# KiCad board handheld.kicad_pcb (continued)
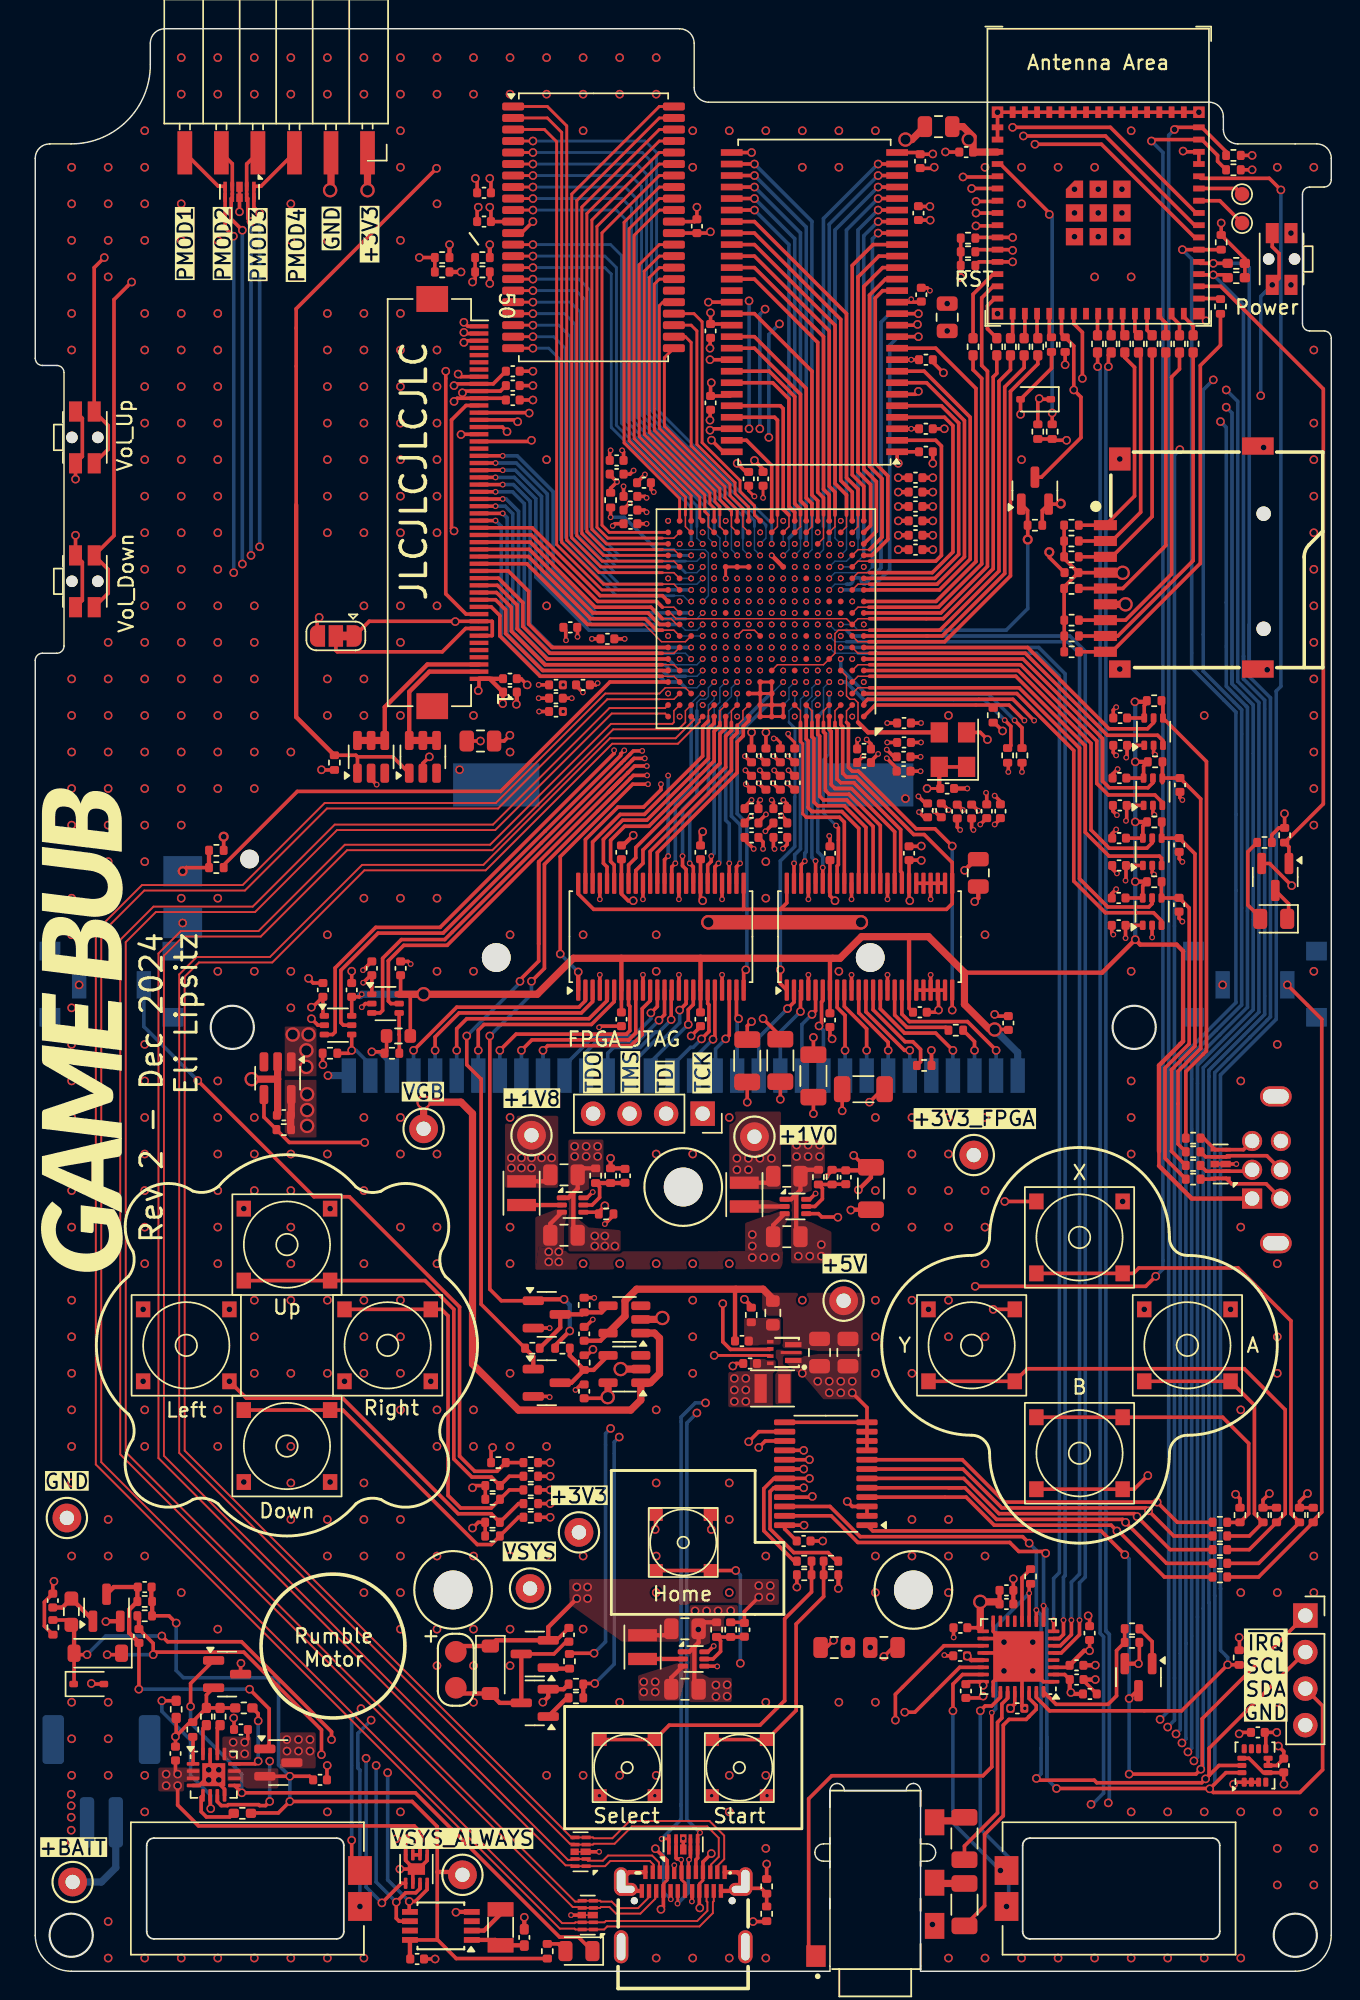
[diagram p0: board, top side]
## Routing (per net, layer and track width the routed paths; a pad name or vN(x,y) marks a point on that pad's centre or on a via; arc(x,y) is an arc through that point) (continued)
  F.Cu (SIG) w0.3: C1701.2 C1703.2 ; 45.82,22.55 45.47,22.2 U304.1 ; 45.82,22.55 45.82,19.9 ; 45.82,22.55 46.12,22.85 C311.2 46.57,24.25 R310.2 ; 49.02,5.76 48.84,5.58 J501.B1 ; 52.9,54 53.2,54.3 C301.2 53.65,55.7 R302.2 ; 52.9,54 52.9,51.35 ; 52.9,54 52.55,53.65 U301.1 ; v1(4.91,24.3) 4.94,24.32 Q203.2 ; R307.2 49.78,46.22 v1(49.3,46.7) ; 37.41,51.45 37.41,54.1 ; 37.41,54.1 37.71,54.4 C308.2 38.16,55.8 R308.2 ; 37.41,54.1 37.06,53.75 U303.1 ; C1904.1 40.87,78.24 v1(41.57,78.95) ; C1101.2 v1(62.4,101.8) ; U1502.4 29.28,4.12 v1(29.25,4.1) ; C1302.1 33.48,88.08 v1(33.45,88.05) ; v1(56.7,52.9) 56.72,52.92 58.1,52.92 ; 49.37,6.32 48.81,6.88 J501.A12 ; C702.1 v3(64.8,82.2) ; C1105.2 v1(62.4,103.8) ; Q1701.2 v1(76.7,21.38) ; C629.2 65.56,74.59 v1(65.31,74.34) ; C1505.1 v1(34,3.75) ; R1504.2 36.73,19.6 Q1502.2 35.66,19.07 v1(35.29,18.7) ; C1103.2 v1(62.4,99.8) ; 41.08,5.76 41.26,5.58 J501.B12 ; C1104.2 v1(62.4,98.8) ; v1(73.7,21.27) 73.69,21.26 C1710.1 ; J501.A1 41.29,6.88 40.73,6.32 ; C1102.2 v1(62.4,100.8) ; C1106.2 v1(62.4,102.8) ; C1712.1 v1(73.7,20.27)
  F.Cu (SIG) w0.5: 16.85,62 16.85,59.54 C314.1 ; 16.85,62 v2(15.05,62) ; 16.85,62 U305.2 ; v2(43.6,45.4) 43.5,45.3 U1801.2 ; v2(20.5,123.78) 20.56,123.84 J801.2 ; v2(40.7,41.85) U1802.2 ; v2(60.5,127.3) 60.95,127.3 C402.2 ; J402.6 v2(75.8,95)
  B.Cu (SIG) w0.5: J1901.32 v1(20.35,62.25)
  vias: v1(2.53,125.38) v1(2.53,122.84) v1(2.53,120.3) v1(2.53,117.75) v1(2.53,115.22) v1(2.53,112.67) v1(2.53,89.81) v1(2.53,87.28) v1(2.53,84.73) v1(2.53,82.19) v1(2.53,79.66) v1(2.53,77.11) v1(2.53,74.58) v1(2.53,72.03) v1(2.53,66.95) v1(2.53,64.42) v1(2.53,61.88) v1(2.53,59.33) v1(2.53,56.8) v1(2.53,54.25) v1(2.53,51.72) v1(2.53,49.17) v1(2.53,46.64) v1(2.53,44.09) v1(2.53,41.56) v1(2.53,39.02) v1(2.53,36.47) v1(2.53,33.94) v1(2.53,28.86) v1(2.53,18.69) v1(2.53,16.16) v1(2.53,13.62) v1(2.5,12.3) v1(2.5,11.5) v1(2.5,10.7) v1(2.5,9.8) v1(2.5,9) v1(3.05,68.55) v1(5.07,125.38) v1(5.07,122.84) v1(5.07,120.3) v1(5.07,117.75) v1(5.07,92.35) v1(5.07,89.81) v1(5.07,87.28) v1(5.07,84.73) v1(5.07,82.19) v1(5.07,79.66) v1(5.07,77.11) v1(5.07,74.58) v1(5.07,31.39) v1(5.07,28.86) v1(5.07,18.69) v1(5.07,16.16) v1(5.07,13.62) v1(5.07,3.46) v1(5.07,0.91) v1(7.5,46) v1(7.61,127.91) v1(7.61,125.38) v1(7.61,122.84) v1(7.61,120.3) v1(7.61,115.22) v1(7.61,112.67) v1(7.61,110.13) v1(7.61,107.59) v1(7.61,105.06) v1(7.61,102.52) v1(7.61,99.97) v1(7.61,97.44) v1(7.61,94.9) v1(7.61,92.35) v1(7.61,89.81) v1(7.61,87.28) v1(7.61,84.73) v1(7.61,82.19) v1(7.61,79.66) v1(7.61,77.11) v1(7.61,64.42) v1(7.61,61.88) v1(7.61,59.33) v1(7.61,56.8) v1(7.61,54.25) v1(7.61,51.72) v1(7.61,49.17) v1(7.61,39.02) v1(7.61,36.47) v1(7.61,28.86) v1(7.61,13.62) v1(7.61,11.07) v1(7.61,0.91) v1(10.15,133) v1(10.15,130.45) v1(10.15,122.84) v1(10.15,120.3) v1(10.15,115.22) v1(10.15,112.67) v1(10.15,110.13) v1(10.15,107.59) v1(10.15,105.06) v1(10.15,102.52) v1(10.15,99.97) v1(10.15,97.44) v1(10.15,94.9) v1(10.15,92.35) v1(10.15,89.81) v1(10.15,87.28) v1(10.15,84.73) v1(10.15,82.19) v1(10.15,79.66) v1(10.15,74.58) v1(10.15,26.31) v1(10.15,0.91) v1(12.06,14) v1(12.06,13.3) v1(12.69,133) v1(12.69,130.45) v1(12.69,120.3) v1(12.69,115.22) v1(12.69,112.67) v1(12.69,110.13) v1(12.69,107.59) v1(12.69,105.06) v1(12.69,102.52) v1(12.69,99.97) v1(12.69,97.44) v1(12.69,94.9) v1(12.69,92.35) v1(12.69,89.81) v1(12.69,87.28) v1(12.69,84.73) v1(12.69,82.19) v1(12.69,74.58) v1(12.69,69.5) v1(12.69,61.88) v1(12.69,59.33) v1(12.69,56.8) v1(12.69,54.25) v1(12.69,51.72) v1(12.69,49.17) v1(12.69,39.02) v1(12.69,36.47) v1(12.69,23.78) v1(12.69,0.91) v1(12.76,14) v1(12.76,13.3) v1(13.5,46) v1(14.5,53) v1(14.5,34) v1(15.23,133) v1(15.23,130.45) v1(15.23,94.9) v1(15.23,92.35) v1(15.23,89.81) v1(15.23,87.28) v1(15.23,84.73) v1(15.23,82.19) v1(15.23,69.5) v1(15.23,59.33) v1(15.23,56.8) v1(15.23,54.25) v1(15.23,46.64) v1(15.23,44.09) v1(15.23,41.56) v1(15.23,0.91) v1(17.77,133) v1(17.77,130.45) v1(17.77,122.84) v1(17.77,120.3) v1(17.77,84.73) v1(17.77,69.5) v1(17.77,66.95) v1(17.77,56.8) v1(17.77,54.25) v1(17.77,51.72) v1(17.77,49.17) v1(17.77,46.64) v1(17.77,41.56) v1(17.77,36.47) v1(17.77,33.94) v1(17.77,31.39) v1(17.77,0.91) v1(20.31,133) v1(20.31,130.45) v1(20.31,120.3) v1(20.31,115.22) v1(20.31,112.67) v1(20.31,110.13) v1(20.31,107.59) v1(20.31,105.06) v1(20.31,102.52) v1(20.31,99.97) v1(20.31,89.81) v1(20.31,87.28) v1(20.31,72.03) v1(20.31,56.8) v1(20.31,46.64) v1(20.31,41.56) v1(20.31,31.39) v1(20.31,28.86) v1(20.31,11.07) v1(20.31,0.91) v1(20.5,53) v1(20.5,34) v1(21.5,41) v1(22.85,133) v1(22.85,130.45) v1(22.85,115.22) v1(22.85,112.67) v1(22.85,110.13) v1(22.85,107.59) v1(22.85,105.06) v1(22.85,102.52) v1(22.85,99.97) v1(22.85,94.9) v1(22.85,89.81) v1(22.85,87.28) v1(22.85,74.58) v1(22.85,59.33) v1(22.85,54.25) v1(22.85,49.17) v1(22.85,46.64) v1(22.85,44.09) v1(22.85,41.56) v1(22.85,33.94) v1(22.85,31.39) v1(22.85,28.86) v1(22.85,26.31) v1(22.85,0.91) v1(25.39,133) v1(25.39,130.45) v1(25.39,127.91) v1(25.39,125.38) v1(25.39,120.3) v1(25.39,115.22) v1(25.39,112.67) v1(25.39,110.13) v1(25.39,107.59) v1(25.39,105.06) v1(25.39,102.52) v1(25.39,99.97) v1(25.39,94.9) v1(25.39,92.35) v1(25.39,87.28) v1(25.39,74.58) v1(25.39,59.33) v1(25.39,56.8) v1(25.39,51.72) v1(25.39,46.64) v1(25.39,44.09) v1(25.39,41.56) v1(25.39,39.02) v1(25.39,31.39) v1(25.39,28.86) v1(25.39,26.31) v1(25.39,23.78) v1(25.39,11.07) v1(27.5,41) v1(27.93,133) v1(27.93,130.45) v1(27.93,122.84) v1(27.93,112.67) v1(27.93,110.13) v1(27.93,107.59) v1(27.93,105.06) v1(27.93,102.52) v1(27.93,99.97) v1(27.93,94.9) v1(27.93,74.58) v1(27.93,69.5) v1(27.93,56.8) v1(27.93,51.72) v1(27.93,49.17) v1(27.93,39.02) v1(27.93,36.47) v1(27.93,28.86) v1(27.93,23.78) v1(27.93,21.24) v1(29.5,83.5) v1(30.47,133) v1(30.47,130.45) v1(30.47,87.28) v1(30.47,69.5) v1(30.47,39.02) v1(30.47,36.47) v1(30.47,28.86) v1(30.47,23.78) v1(30.47,21.24) v1(30.47,18.69) v1(33.01,133) v1(33.01,130.45) v1(33.01,84.73) v1(33.01,72.03) v1(33.01,59.33) v1(33.01,51.72) v1(33.01,49.17) v1(33.01,41.56) v1(33.01,36.47) v1(33.01,28.86) v1(33.01,23.78) v1(33.01,21.24) v1(35.55,133) v1(35.55,130.45) v1(35.55,105.06) v1(35.55,94.9) v1(35.55,36.47) v1(35.55,28.86) v1(35.55,13.62) v1(37.5,57.33) v1(37.5,56.63) v1(38.09,133) v1(38.09,130.45) v1(38.09,127.91) v1(38.09,72.03) v1(38.09,49.17) v1(38.09,28.86) v1(38.09,23.78) v1(38.09,13.62) v1(38.3,57.33) v1(38.3,56.63) v1(38.9,51.1) v1(38.9,50.4) v1(39.1,57.33) v1(39.1,56.63) v1(39.6,51.1) v1(39.6,50.4) v1(40.3,50.4) v1(40.63,133) v1(40.63,130.45) v1(40.63,49.17) v1(40.63,18.69) v1(40.63,13.62) v1(43.17,133) v1(43.17,130.45) v1(43.17,72.03) v1(43.17,69.5) v1(43.17,56.8) v1(43.17,49.17) v1(43.17,39.02) v1(43.17,33.94) v1(43.17,28.86) v1(43.17,26.31) v1(43.17,13.62) v1(43.17,0.91) v1(45.71,127.91) v1(45.71,125.38) v1(45.71,56.8) v1(45.71,49.17) v1(45.71,46.64) v1(45.71,44.09) v1(45.71,41.56) v1(45.71,0.91) v1(45.87,25.04) v1(46.1,23.75) v1(46.67,25.04) v1(47.32,19.89) v1(47.32,19.09) v1(47.47,25.04) v1(48.1,19.91) v1(48.1,19.11) v1(48.25,127.91) v1(48.25,59.33) v1(48.25,49.17) v1(48.25,33.94) v1(48.25,31.39) v1(48.25,26.31) v1(48.25,13.62) v1(48.25,11.07) v1(48.25,0.91) v1(48.35,25.05) v1(48.5,42.06) v1(50.79,127.91) v1(50.79,77.11) v1(50.79,74.58) v1(50.79,28.86) v1(50.79,18.69) v1(50.79,13.62) v1(50.79,8.53) v1(50.79,0.91) v1(52.93,57.42) v1(52.93,56.62) v1(53.05,49.7) v1(53.33,127.91) v1(53.33,125.38) v1(53.33,46.64) v1(53.33,41.56) v1(53.73,57.42) v1(53.73,56.62) v1(53.85,49.7) v1(54.03,33) v1(54.4,41) v1(54.53,57.42) v1(54.53,56.62) v1(54.65,50.5) v1(54.65,49.7) v1(55.2,41) v1(55.2,40.2) v1(55.87,127.91) v1(55.87,125.38) v1(55.87,69.5) v1(55.87,18.69) v1(56,41) v1(56.8,41) v1(58.41,127.91) v1(58.41,59.33) v1(58.41,54.25) v1(58.41,51.72) v1(58.41,46.64) v1(58.41,44.09) v1(58.41,41.56) v1(58.41,28.86) v1(58.41,26.31) v1(58.41,18.69) v1(60.5,81.5) v1(60.95,59.33) v1(60.95,56.8) v1(60.95,54.25) v1(60.95,51.72) v1(60.95,46.64) v1(60.95,41.56) v1(60.95,31.39) v1(60.95,28.86) v1(62.1,46) v1(62.38,3.25) v1(62.5,125.38) v1(63.4,115.9) v1(63.49,87.28) v1(63.49,59.33) v1(63.49,56.8) v1(63.49,54.25) v1(63.49,51.72) v1(63.49,46.64) v1(63.49,44.09) v1(63.49,31.39) v1(63.49,28.86) v1(63.49,26.31) v1(63.49,0.91) v1(66.03,125.38) v1(66.03,72.03) v1(66.03,59.33) v1(66.03,54.25) v1(66.03,51.72) v1(66.03,49.17) v1(66.03,44.09) v1(66.03,28.86) v1(66.03,0.91) v1(66.9,115.2) v1(67.35,22.87) v1(67.35,20.87) v1(68.57,125.38) v1(68.57,122.84) v1(68.57,105.06) v1(68.57,0.91) v1(69.35,22.87) v1(69.35,20.87) v1(71.11,125.38) v1(71.11,0.91) v1(72.25,123.85) v1(72.25,122.2) v1(72.25,120.55) v1(73.65,125.38) v1(73.65,117.75) v1(73.65,0.91) v1(73.9,123.85) v1(73.9,122.2) v1(73.9,120.55) v1(75.4,105.1) v1(75.4,90.5) v1(75.55,123.85) v1(75.55,122.2) v1(75.55,120.55) v1(75.6,53.5) v1(76.19,127.91) v1(76.19,117.75) v1(76.19,69.5) v1(76.19,61.88) v1(76.19,59.33) v1(76.19,56.8) v1(76.19,11.07) v1(76.19,0.91) v1(77.1,46) v1(78.73,11.07) v1(78.73,0.91) v1(81.27,87.28) v1(81.27,11.07) v1(81.27,0.91) v1(82.55,68.55) v1(83.1,46) v1(83.7,23.2) v1(83.81,61.88) v1(83.81,51.72) v1(83.81,39.02) v1(83.81,26.31) v1(83.81,11.07) v1(83.81,0.91) v1(85.4,105.9) v1(85.65,90.45) v1(86.35,125.38) v1(86.35,64.42) v1(86.35,49.17) v1(86.35,44.09) v1(86.35,41.56) v1(86.35,26.31) v1(86.35,18.69) v1(86.35,11.07) v1(86.35,8.53) v1(86.35,6) v1(87.3,120.8) v1(87.3,117.2) v1(88.89,125.38) v1(88.89,112.67) v1(88.89,107.59) v1(88.89,105.06) v1(88.89,102.52) v1(88.89,99.97) v1(88.89,97.44) v1(88.89,94.9) v1(88.89,92.35) v1(88.89,89.81) v1(88.89,87.28) v1(88.89,84.73) v1(88.89,82.19) v1(88.89,79.66) v1(88.89,69.5) v1(88.89,28.86) v1(88.89,26.31) v1(88.89,11.07) v1(88.89,8.53) v1(88.89,6) v3(39.22,12.2) v3(43.07,12.2) v3(44,96.8) v3(44,88.8) v3(44.8,99.2) v3(44.8,91.2) v3(45.6,93.6) v3(46.4,96) v3(46.4,88) v3(47.03,12.2) v3(47.2,98.4) v3(47.2,90.4) v3(48,100.8) v3(48,92.8) v3(48.8,96.8) v3(48.8,95.2) v3(48.8,93.6) v3(48.8,92) v3(48.8,87.2) v3(49.6,96) v3(49.6,94.4) v3(49.6,92.8) v3(49.6,91.2) v3(49.6,89.6) v3(50.4,100) v3(50.4,96.8) v3(50.4,95.2) v3(50.4,94.4) v3(50.4,93.6) v3(50.4,92) v3(50.88,12.2) v3(51.2,96) v3(51.2,95.2) v3(51.2,94.4) v3(51.2,93.6) v3(51.2,92.8) v3(51.2,91.2) v3(52,96.8) v3(52,95.2) v3(52,93.6) v3(52,92) v3(52,90.4) v3(52,88.8) v3(52.8,99.2) v3(52.8,96) v3(52.8,94.4) v3(52.8,92.8) v3(52.8,91.2) v3(53.6,93.6) v3(54.4,96) v3(54.4,88) v3(55.2,98.4) v3(55.2,90.4) v3(56,100.8) v3(56,92.8) v3(56.8,95.2) v3(56.8,87.2) v3(57.6,97.6) v3(57.6,89.6) v3(68.8,18.27)
VBUS: length 9.8
  F.Cu (SIG) w0.2: J501.A4 43.93,6.33 43.67,6.07 J501.B9 ; J501.A9 46.42,6.32 46.17,6.07 J501.B4
  F.Cu (SIG) w0.25: J501.B4 46.17,4.43 v1(46.2,4.4) ; C202.1 14.78,16.13 v1(14.56,15.91) ; J501.A4 43.93,7.7 v1(43.11,8.51) ; J501.A9 46.42,7.6 v1(47,8.18) ; J501.B9 43.67,4.47 v1(43.5,4.3)
  vias: v1(13.76,15.91) v1(13.76,15.11) v1(14.56,15.11)
+BATT: length 28.7
  F.Cu (SIG) w0.25: v1(9.9,12.9) 9.9,11.55 11.35,10.1 26.35,10.1 26.71,9.74 C201.2 26.75,9.16 U201.2 U201.3 ; C204.1 9.75,13.85 v1(9.9,13.7)
  B.Cu (SIG) w0.5: J201.2 5.6,7.2 4.6,6.2 TP201.1
  vias: v1(9.1,13.7) v1(9.1,12.9)
/Audio/DAC_INT: length 10.6
  F.Cu (SIG) w0.25: R1702.2 R1704.1 75.18,22.28 75.18,19.14 74.59,18.55 70.97,18.55 U1701.32
/Audio/DAC_INT_R: length 2.8
  F.Cu (SIG) w0.25: Q1701.1 77.65,22.91 R1702.1
/Audio/Headphone_Jack_R: length 2.3
  F.Cu (SIG) w0.5: C1713.2 62.53,6.1 62.38,6.25
/Audio/Headphone_Left: length 13.4
  F.Cu (SIG) w0.25: 67.6,18.98 U1701.27 67.6,18.97 67.2,18.57 67.2,17.6 66.9,17.3 66.9,11 64.6,8.7 C1714.1
/Audio/Headphone_Mic: length 40.6
  F.Cu (SIG) w0.25: 54.43,1.1 53.77,1.76 53.77,11.98 55.37,13.59 65.89,13.59 66.5,14.2 v3(66.5,17.96) ; U1701.11 v3(69.1,26.27) 69.1,26.83 R1703.2
  B.Cu (SIG) w0.25: v3(66.5,17.96) 66.78,18.24 66.78,23.95 v3(69.1,26.27)
/Audio/Headphone_Right: length 19.2
  F.Cu (SIG) w0.25: C1713.1 66,4.55 66,9.5 67.3,10.8 67.3,17.1 67.7,17.5 68.89,17.5 69.59,18.2 69.59,18.46 69.1,18.96 U1701.30
/Audio/HeadphoneJack_Tip: length 2.3
  F.Cu (SIG) w0.5: C1714.2 64.35,10.45 62.38,10.45
/Audio/MICBIAS: length 3.9
  F.Cu (SIG) w0.25: R1703.1 68.6,27.35 U1701.12
/Audio/Speaker_Left_M: length 59.6
  F.Cu (SIG) w0.25: v1(59.8,17.45) 59.8,19.24 63.18,22.62 U1701.19
  In2.Cu (SIG) w0.25: v1(23.35,17.45) 23.53,17.63 59.62,17.63 v1(59.8,17.45)
  B.Cu (SIG) w0.25: 22.42,14.45 22.42,16.53 v1(23.35,17.45) ; 22.42,14.45 22.42,14.12 22.58,13.97 v1(22.58,4.5) ; 22.42,14.45 22.42,14.18
/Audio/Speaker_Left_P: length 56.4
  F.Cu (SIG) w0.25: v1(60.45,18) 61.15,18 64.27,21.12 U1701.22 ; v1(22,9.1) 22,7.57 J1701.2
  In2.Cu (SIG) w0.25: v1(60.45,18) 60.42,18.03 22.87,18.03 v1(22.65,18.25)
  B.Cu (SIG) w0.25: v1(22.65,18.25) 22,17.6 v1(22,9.1)
/Audio/Speaker_Right_M: length 16.7
  F.Cu (SIG) w0.25: v1(63.8,18.1) 63.8,19.95 64.47,20.62 U1701.23
  B.Cu (SIG) w0.25: v1(67.1,7) 63.8,10.3 v1(63.8,18.1)
/Audio/Speaker_Right_P: length 16.6
  F.Cu (SIG) w0.25: v1(65.7,18.1) 66.04,18.44 66.49,18.44 67.1,19.04 U1701.26
  B.Cu (SIG) w0.25: v1(65.7,18.1) 65.7,9.9 67.68,7.93 67.68,4.65 v1(67.53,4.5)
/Buttons/BTN_A_s: length 19.6
  F.Cu (SIG) w0.25: R1612.2 84.41,30.25 R1608.2 84.76,31.79 84.76,39.34 SW1606.1 SW1606.1
/Buttons/BTN_B_s: length 22.1
  F.Cu (SIG) w0.25: R1616.2 82.88,31.19 R1614.2 84.36,31.8 84.36,36.69 82.55,38.5 SW1608.1 SW1608.1
/Buttons/BTN_Down_s: length 24.1
  F.Cu (SIG) w0.25: R1615.2 33.6,31.55 R1613.2 31.71,29.66 30.73,29.66 21.39,39 SW1607.1 SW1607.1
/Buttons/BTN_Home_s: length 143.1
  F.Cu (SIG) w0.25: R1618.2 R1621.2 70.79,106.4 v1(71.7,106.4) ; SW1610.1 SW1610.1 v1(48.7,27.85)
  In2.Cu (SIG) w0.25: v1(71.7,106.4) 78.93,106.4 v1(79.57,105.75) ; v1(78.73,16.97) 78.69,16.93 77.96,16.93 77.8,17.09 63.18,17.09 59.67,20.6 53.38,20.6 52.59,21.4 v1(49.02,21.4)
  B.Cu (SIG) w0.25: v1(48.7,27.85) 49.02,27.53 v1(49.02,21.4) ; v1(79.57,105.75) 79.2,105.38 79.2,17.44 v1(78.73,16.97)
/Buttons/BTN_L_s: length 48.4
  F.Cu (SIG) w0.25: v1(11.3,61.9) 19.38,53.83 21.84,53.83 29.5,46.17 29.5,35.8 30.56,34.75 32.1,34.75 R1623.2 R1624.2
  B.Cu (SIG) w0.25: v1(11.3,61.9) 7.55,65.65 SW1612.1
/Buttons/BTN_Left_s: length 31
  F.Cu (SIG) w0.25: R1609.2 33.6,32.5 R1605.2 31.71,31.8 29.41,31.8 21.38,39.83 14.67,39.83 v1(13.5,41)
  In2.Cu (SIG) w0.25: v1(7.5,41) v1(13.5,41)
/Buttons/BTN_R_s: length 46.1
  F.Cu (SIG) w0.25: R1627.2 85.05,27.4 R1625.2 88.84,31.31 89.44,31.91 89.44,66.16 v1(87.05,68.55)
/Buttons/BTN_Right_s: length 26
  F.Cu (SIG) w0.25: SW1604.1 SW1604.1 28.25,46 28.7,45.55 28.7,33.07 29.57,32.19 31.71,32.19 R1606.2 32.96,33.45 R1610.2
/Buttons/BTN_Select_s: length 24.5
  F.Cu (SIG) w0.25: R1620.2 R1617.2 53.97,26.36 52.1,24.49 52.1,18.8 52.09,18.8 50.39,17.1 44.07,17.1 SW1609.1 SW1609.1
/Buttons/BTN_Start_s: length 17.9
  F.Cu (SIG) w0.25: R1622.2 R1619.2 54.81,26.04 52.9,24.13 52.9,18.12 SW1611.1 SW1611.1
/Buttons/BTN_Up_s: length 31.7
  F.Cu (SIG) w0.25: SW1601.1 SW1601.1 27.1,48 29.1,46 29.1,35.6 30.35,34.34 31.72,34.34 R1601.2 32.96,34.4 R1603.2
/Buttons/BTN_Vol_Down_s: length 50
  F.Cu (SIG) w0.25: v1(30.4,117.4) 30.58,117.58 R1629.2 R1630.2 ; SW1615.1 5.08,95.78 5.08,97.42 SW1615.1 5.47,99.78 5.47,116.17 v1(6.7,117.4)
  In2.Cu (SIG) w0.25: v1(30.4,117.4) v1(6.7,117.4)
/Buttons/BTN_Vol_Up_s: length 39.4
  F.Cu (SIG) w0.25: SW1614.1 5.08,105.78 5.08,107.42 SW1614.1 4.1,118.4 v1(4.8,119.1) ; R1626.2 R1628.2 v1(26.7,119.1)
  In2.Cu (SIG) w0.25: v1(26.7,119.1) v1(4.8,119.1)
/Buttons/BTN_X_s: length 39.8
  F.Cu (SIG) w0.25: R1604.2 85.05,28.35 R1602.2 87.3,31.79 87.3,45.2 83.62,48.88 76.72,48.88 76.35,48.5 SW1602.1 SW1602.1
/Buttons/BTN_Y_s: length 38.6
  F.Cu (SIG) w0.25: SW1605.1 SW1605.1 68.97,41.88 84.05,41.88 86.9,39.03 86.9,31.8 R1607.2 84.4,29.3 R1611.2
/ESP32-S3/ESP32_RX: length 3.2
  F.Cu (SIG) w0.25: TP402.1 83.5,123.9 U401.40
/ESP32-S3/ESP32_SDIO_CLK: length 1.7
  F.Cu (SIG) w0.25: R416.2 78.6,114.55 78.15,115 U401.28
/ESP32-S3/ESP32_SDIO_CMD: length 1.6
  F.Cu (SIG) w0.25: U401.27 77.3,114.05 R418.1
/ESP32-S3/ESP32_SDIO_D0: length 1.7
  F.Cu (SIG) w0.25: U401.29 79,115 79.55,114.45 79.55,113.69
/ESP32-S3/ESP32_SDIO_D1: length 1.8
  F.Cu (SIG) w0.25: U401.30 79.85,115 80.5,114.35 R419.1
/ESP32-S3/ESP32_SDIO_D2: length 1.6
  F.Cu (SIG) w0.25: U401.25 75.6,113.85 R415.1
/ESP32-S3/ESP32_SDIO_D3: length 1.6
  F.Cu (SIG) w0.25: U401.26 76.45,113.95 R414.2
/ESP32-S3/ESP32_SPI2_CLK: length 1.8
  F.Cu (SIG) w0.25: R410.1 67.95,113.65 U401.16
/ESP32-S3/ESP32_SPI2_D0: length 3.4
  F.Cu (SIG) w0.25: U401.15 66.7,116.25 66.2,115.75 66.2,114.15 R409.1
/ESP32-S3/ESP32_SPI2_D1: length 1.8
  F.Cu (SIG) w0.25: R411.1 68.8,113.55 U401.17 ; 68.72,115.07 68.74,115.09
/ESP32-S3/ESP32_SPI2_D2: length 1.7
  F.Cu (SIG) w0.25: R413.1 69.65,113.55 U401.18
/ESP32-S3/ESP32_SPI2_D3: length 5.3
  F.Cu (SIG) w0.25: U401.13 66.6,117.95 65.2,116.55 R408.1
/ESP32-S3/ESP32_TX: length 3.6
  F.Cu (SIG) w0.25: U401.39 82.35,123.05 TP401.1
/ESP32-S3/ESP32_USB_D+: length 1.5
  F.Cu (SIG) w0.25: U401.24 74.75,113.75 R402.1
/ESP32-S3/ESP32_USB_D-: length 1.5
  F.Cu (SIG) w0.25: R406.1 73.85,115.15 U401.23
/ESP32-S3/SD_Detect: length 1.5
  F.Cu (SIG) w0.25: R427.2 82.36,116.25 U401.31
/ESP32-S3/SD_Detect_s: length 28.6
  F.Cu (SIG) w0.25: R427.1 82.4,113 81,111.6 81,97.85 74.85,91.7 J402.9 72.86,91.7
/ESP32-S3/SDIO_CLK: length 20.4
  F.Cu (SIG) w0.25: 72.86,96.1 J402.5 75.61,96.1 78.6,99.09 R416.1
/ESP32-S3/SDIO_CMD: length 17.4
  F.Cu (SIG) w0.25: 72.86,98.3 J402.3 74.85,98.3 77.65,101.1 R418.2
/ESP32-S3/SDIO_D0: length 23.1
  F.Cu (SIG) w0.25: R417.1 79.55,111.35 79,110.8 79,97.1 75.8,93.9 J402.7 72.86,93.9
/ESP32-S3/SDIO_D1: length 24.3
  F.Cu (SIG) w0.25: 72.86,92.8 J402.8 75.26,92.8 80.5,98.04 R419.2
/ESP32-S3/SDIO_D2: length 14.7
  F.Cu (SIG) w0.25: 72.86,100.5 J402.1 76.43,102.53 76.43,111.47 75.75,112.15 R415.2
/ESP32-S3/SDIO_D3/~{CS}: length 16
  F.Cu (SIG) w0.25: R414.1 76.85,112.35 76.85,101.4 74.85,99.4 J402.2 72.86,99.4
/ESP32-S3/STATUS_LED: length 45.8
  F.Cu (SIG) w0.25: U401.32 82.41,117.1 89.55,109.96 89.55,81.13 R412.2 87.16,78.14 Q401.1
/ESP32-S3/Status_LED_A: length 6
  F.Cu (SIG) w0.25: R407.2 84.3,77.8 84.3,74.1 85.26,73.14
/ESP32-S3/Status_LED_K: length 2.4
  F.Cu (SIG) w0.25: 87.14,73.14 87.14,74.19 Q401.3
/FPGA Config/FPGA_JTAG_TCK: length 41.6
  In2.Cu (SIG) w0.1: 49.6,88.8 50,89.2 50,90 v3(50.4,90.4)
  In2.Cu (SIG) w0.25: 49.6,88.8 49.6,87.36 48.4,86.16 48.4,83.1 46.1,80.8 41.4,80.8 41,80.4 41,61.8 41.4,61.4 44.6,61.4 J701.1
/FPGA Config/FPGA_JTAG_TDI: length 39.6
  In2.Cu (SIG) w0.1: v3(49.6,90.4) 49.2,90 49.2,88.4
  In2.Cu (SIG) w0.25: J701.2 42.46,61 41,61 40.6,61.4 40.6,80.8 41,81.2 45.93,81.2 48,83.27 48,87.2 49.2,88.4
/FPGA Config/FPGA_JTAG_TDO: length 37.7
  In2.Cu (SIG) w0.1: v3(48,90.4) 48,90.13 47.6,89.73 47.6,88.4
  In2.Cu (SIG) w0.25: 47.6,88.4 47.2,88 47.2,83.6 45.6,82 40.4,82 39.8,81.4 39.8,60.62 J701.4
/FPGA Config/FPGA_JTAG_TMS: length 37.9
  In2.Cu (SIG) w0.1: v3(48.8,90.4) 48.4,90 48.4,88.4
  In2.Cu (SIG) w0.25: 48.4,88.4 47.6,87.6 47.6,83.43 45.77,81.6 40.6,81.6 40.2,81.2 40.2,60.72 J701.3
/FPGA IO Bank 14/FPGA_PUDC_B: length 12
  F.Cu (SIG) w0.25: R801.1 v3(40,101.05)
  B.Cu (SIG) w0.1: 44.4,98.8 46.57,98.8 46.8,98.57 46.8,95.6 v3(46.4,95.2)
  B.Cu (SIG) w0.25: 44.4,98.8 43.2,98.8 40.95,101.05 v3(40,101.05)
/FPGA IO Bank 14/PMOD_1: length 64.8
  F.Cu (SIG) w0.25: v1(13.78,120.58) 13.2,121.16 D801.6 D801.5 12.72,124.06 J801.6
  In2.Cu (SIG) w0.1: 43.6,97.2 44.4,97.2 45.2,96.4 46.8,96.4 v3(47.2,96)
  In2.Cu (SIG) w0.25: 43.6,97.2 v1(13.8,97.2)
  B.Cu (SIG) w0.25: v1(13.8,97.2) 13.8,120.56 v1(13.78,120.58)
/FPGA IO Bank 14/PMOD_2: length 62.5
  F.Cu (SIG) w0.25: D801.4 13.7,125.62 J801.5 ; v1(14.4,121) 13.62,121.78 13.62,123.2 D801.7 ; 13.7,124.25 13.7,123.48
  In2.Cu (SIG) w0.1: 45.2,97.2 46.8,97.2 v3(47.2,96.8)
  In2.Cu (SIG) w0.25: 45.2,97.2 44.8,97.6 14.6,97.6 v1(14.4,97.8)
  B.Cu (SIG) w0.25: v1(14.4,121) v1(14.4,97.8)
/FPGA IO Bank 14/PMOD_3: length 61
  F.Cu (SIG) w0.25: D801.9 14.78,123.2 14.78,121.83 v1(15,121.6) ; D801.2 14.7,125.6 J801.4 ; 14.7,124.25 14.7,123.48
  In2.Cu (SIG) w0.1: v3(47.2,97.6) 46.8,98 45.2,98
  In2.Cu (SIG) w0.25: 45.2,98 15.4,98 v1(15,98.4)
  B.Cu (SIG) w0.25: v1(15,121.6) v1(15,98.4)
/FPGA IO Bank 14/PMOD_4: length 64.3
  F.Cu (SIG) w0.25: v1(15.6,122.2) 15.2,122.6 D801.10 D801.1 15.69,124.06 J801.3
  In2.Cu (SIG) w0.1: 45.2,98.8 47.4,98.8 47.6,98.6 47.6,96.4 v3(48,96)
  In2.Cu (SIG) w0.25: 45.2,98.8 44.8,98.4 16.2,98.4 v1(15.6,99)
  B.Cu (SIG) w0.25: v1(15.6,99) v1(15.6,122.2)
/FPGA IO Bank 16/BANK16_VCCO: length 11.2
  F.Cu (SIG) w0.2: U601.B10 U601.B8 U601.A8 U601.A10 U601.D10 U601.D9 U601.A9 ; U601.C9 U601.C10
  F.Cu (SIG) w0.25: U601.C11 U601.C10
/FPGA IO Bank 35/FPGA_IRQ: length 21.2
  F.Cu (SIG) w0.25: v4(69,99.5) 69,100.49 R1203.1 68.99,101.52 Q1201.1
  B.Cu (SIG) w0.1: v3(56,93.6) 56.8,93.6 57.2,93.2 58,93.2
  B.Cu (SIG) w0.25: 58,93.2 67.5,93.2 69,94.7 v4(69,99.5)
/FPGA IO Bank 35/USB_SBU_1: length 16.4
  F.Cu (SIG) w0.25: v3(68.09,86.94) 68.6,86.42 R1201.2
  B.Cu (SIG) w0.25: v3(56,91.2) 56,90.53 57.76,88.76 66.26,88.76 v3(68.09,86.94)
/FPGA IO Bank 35/USB_SBU_2: length 14.7
  F.Cu (SIG) w0.25: 67.65,85.01 67.82,85.19 67.82,86.53 v3(67.4,86.95)
  B.Cu (SIG) w0.25: v3(56,89.6) 56.36,89.6 57.6,88.36 65.99,88.36 v3(67.4,86.95)
/Game Boy Interfaces/Game Boy Cartridge/Cart_A16: length 9.5
  F.Cu (SIG) w0.25: U1902.12 43.25,67.05 v1(42.8,66.6)
  B.Cu (SIG) w0.25: 36.8,62.95 38.85,65 41.6,65 42.8,66.2 v1(42.8,66.6)
/Game Boy Interfaces/Game Boy Cartridge/Cart_A17: length 12.4
  F.Cu (SIG) w0.25: U1902.11 42.75,67.45 42.2,66.9 42.2,65.1 41.43,64.33 35.63,64.33 v1(35.3,64)
  B.Cu (SIG) w0.25: J1901.23 v1(35.3,64)
/Game Boy Interfaces/Game Boy Cartridge/Cart_A18: length 13.2
  F.Cu (SIG) w0.25: v1(33.8,64) 34.53,64.73 41.26,64.73 41.75,65.22 U1902.9
  B.Cu (SIG) w0.25: J1901.24 v1(33.8,64)
